# KiCad board jetson-orin-baseboard.kicad_pcb (continued)
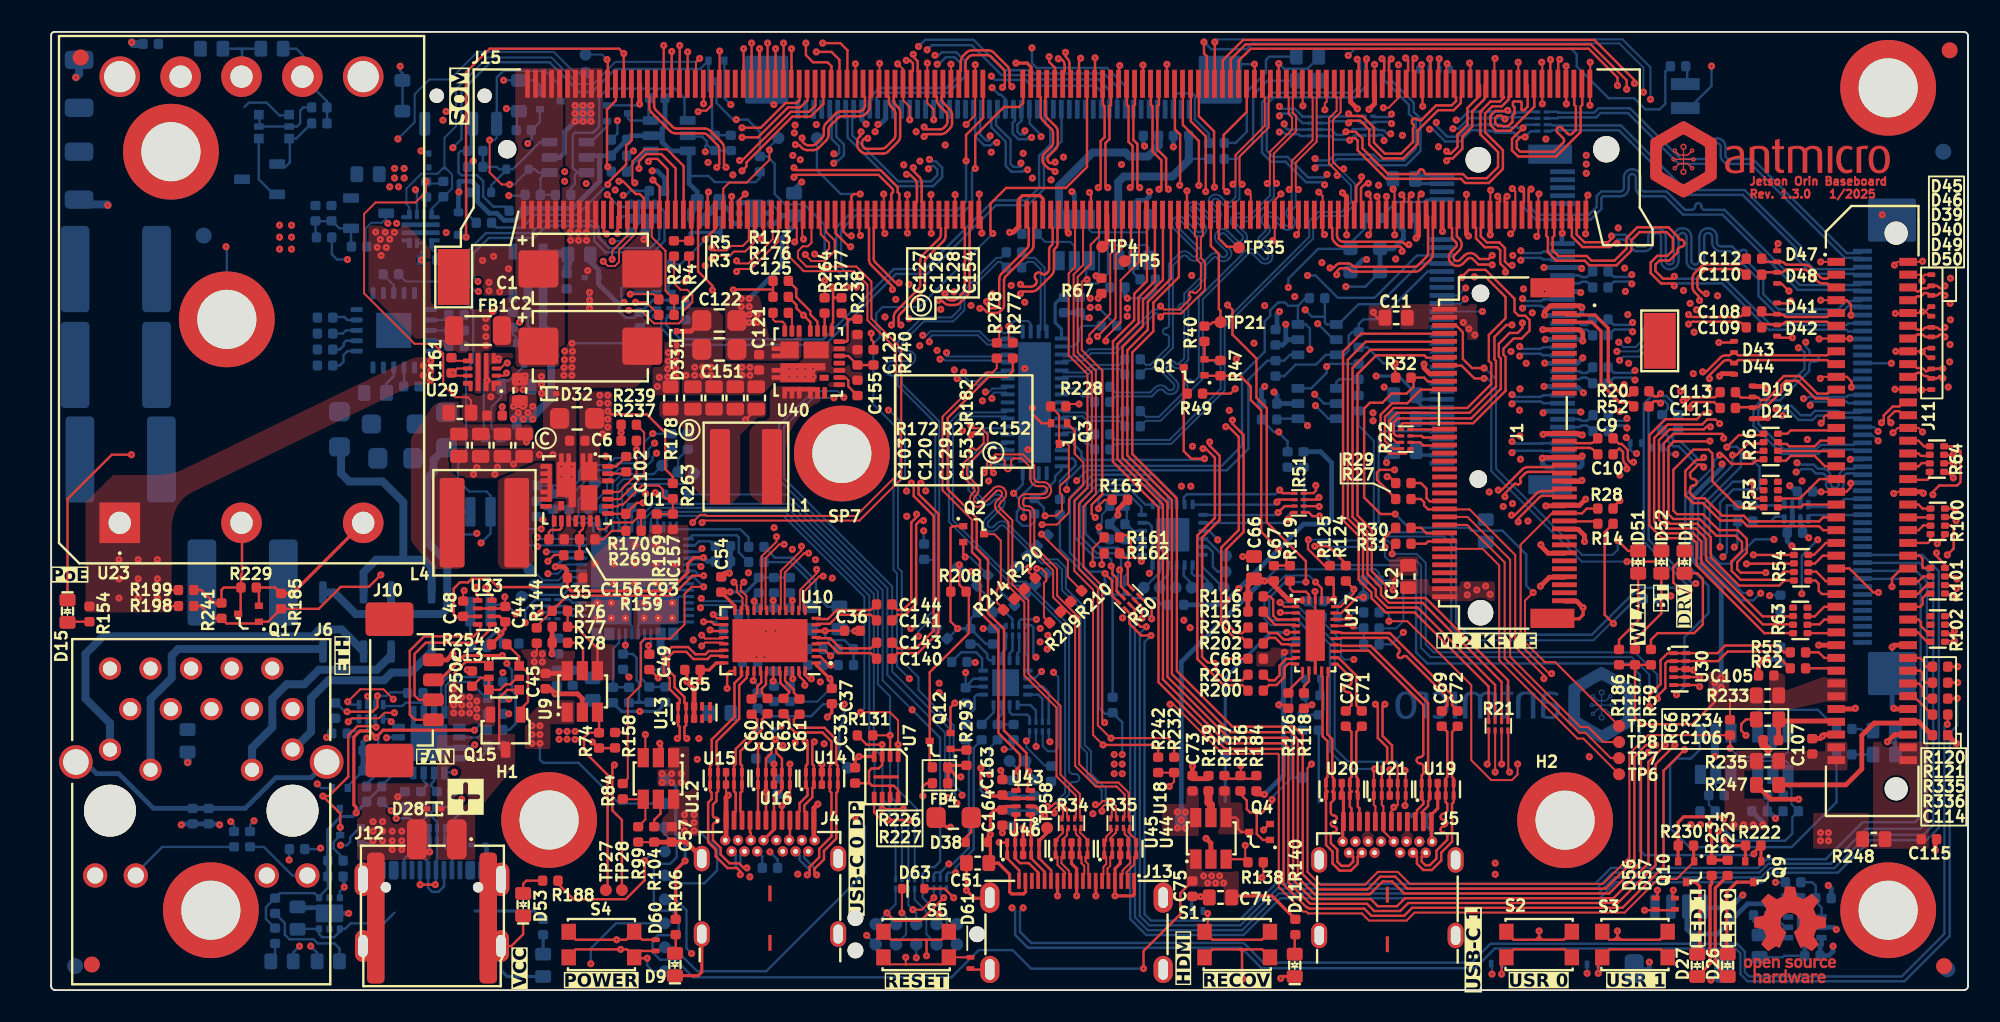
[diagram p0: board, top side]
## Nets (continued)
/Peripherals/GPIO13_CONN: J11.36 R64.4
/Peripherals/GPIOEX_ADDR: R218.2 U34.16
/Peripherals/GPIOEX_I2C_SCL: R216.2 U34.12
/Peripherals/GPIOEX_I2C_SDA: R215.2 U34.13
/Peripherals/GPIOEX_P0_0: R25.8 U34.2
/Peripherals/GPIOEX_P0_1: R25.7 U34.3
/Peripherals/GPIOEX_P0_2: R25.6 U34.4
/Peripherals/GPIOEX_P0_3: R25.5 U34.5
/Peripherals/GPIOEX_P0_4: R195.8 U34.7
/Peripherals/GPIOEX_P0_5: R195.7 U34.8
/Peripherals/GPIOEX_P0_6: R195.6 U34.9
/Peripherals/GPIOEX_P0_7: R195.5 U34.10
/Peripherals/GPIOEX_RESET: R217.2 U34.1
/Peripherals/I2C_CONN_3V3: J14.2 R191.2 U35.1
/Peripherals/I2C_CONN_PEN: R189.1 R192.2 U35.4
/Peripherals/I2S0_LRCK_CONN: J11.47 R54.3
/Peripherals/I2S0_SCLK_CONN: J11.46 R100.4
/Peripherals/I2S0_SDIN_CONN: J11.45 R54.4
/Peripherals/I2S0_SDOUT_CONN: J11.48 R101.1
/Peripherals/MISO: J9.6 R112.2 R204.4
/Peripherals/MOSI: J9.8 R112.3 R204.2
/Peripherals/PCIE2_CLKREQ_CONN*: J11.29 R26.3
/Peripherals/PCIE2_RST_CONN*: J11.27 R26.4
/Peripherals/PCIE2_TX0_CONN_N: C108.1 D41.1 J11.9
/Peripherals/PCIE2_TX0_CONN_P: C109.1 D42.1 J11.11
/Peripherals/PCIE2_TX1_CONN_N: C112.1 D47.1 J11.3
/Peripherals/PCIE2_TX1_CONN_P: C110.1 D48.1 J11.5
/Peripherals/PCIE3_CLKREQ_CONN*: J11.32 R64.2
/Peripherals/PCIE3_RST_CONN*: J11.30 R64.1
/Peripherals/PCIE_WAKE_SEL_EXT_CONN: J11.34 R64.3
/Peripherals/SCK: D63.1 J9.4 R204.3
/Peripherals/SPI1_MISO_CONN: J11.56 R101.4
/Peripherals/SPI1_MOSI_CONN: J11.54 R101.3
/Peripherals/SPI1_SCK_CONN: J11.52 R101.2
/Peripherals/SPIO_MISO_CONN: J11.55 R63.3
/Peripherals/SPIO_MOSI_CONN: J11.53 R54.1
/Peripherals/SPIO_SCK_CONN: J11.51 R54.2
/Peripherals/UART1_RXD_CONN: J11.39 R53.1
/Peripherals/UART1_TXD_CONN: J11.44 R100.3
/Peripherals/USB_CONN_N: J11.41 R134.1
/Peripherals/USB_CONN_P: J11.43 R141.1
/Peripherals/USBSS2_TX_CONN_N: C113.1 D19.1 J11.21
/Peripherals/USBSS2_TX_CONN_P: C111.1 D21.1 J11.23
/Peripherals/~{CS}: J9.2 R204.1
/Peripherals/~{SPI0_CS0_CONN}: J11.57 R63.2
/Peripherals/~{SPI0_CS1_CONN}: J11.59 R63.1
/Peripherals/~{SPI1_CS0_CONN}: J11.58 R102.3
/Peripherals/~{SPI1_CS1_CONN}: J11.60 R102.4
/SoM/DEBUG_RXD_1V8: J15.238 U4.5
/SoM/DEBUG_TXD_1V8: J15.236 U4.4
/SoM/PMIC_BBAT: D34.1 J15.235 R294.2
/SoM/SLEEP/~{WAKE}: J15.240 TP2.1
/SoM/SoM_VIN: C1.1 C2.1 FB1.2 J15.251 J15.252 J15.253 J15.254 J15.255 J15.256 J15.257 J15.258 J15.259 J15.260
/SoM/~{FORCE_RECOVERY}: D55.2 J15.214 S1.1 S1.2
/SoM/~{MOD_SLEEP}: J15.178 TP3.1
/USB3/USBC1_ADDR: R113.1 R114.2 U17.22
/USB3/USBC1_CC1: J5.A5 U17.2 U21.1 U21.10
/USB3/USBC1_CC2: J5.B5 U17.1 U21.5 U21.6
/USB3/USBC1_CONN_TX1_N: C70.1 J5.A2 U20.4 U20.7
/USB3/USBC1_CONN_TX1_P: C71.1 J5.A3 U20.5 U20.6
/USB3/USBC1_CONN_TX2_N: C69.1 J5.B2 U19.4 U19.7
/USB3/USBC1_CONN_TX2_P: C72.1 J5.B3 U19.5 U19.6
/USB3/USBC1_DIR: R126.1 U17.11
/USB3/USBC1_FAULT_N: R135.1 TP32.1 U17.24
/USB3/USBC1_I2C_SDA: R124.2 R265.2 U17.25
/USB3/USBC1_I_MODE: R116.1 U17.3
/USB3/USBC1_ID: Q4.1 R23.1 R24.2 R136.2 TP31.1 U17.27
/USB3/USBC1_ISC_SCL: R125.2 R266.2 U17.26
/USB3/USBC1_ISET: R139.2 U18.5
/USB3/USBC1_PORT: R115.2 U17.4
/USB3/USBC1_RX1_N: J5.B10 U17.14 U20.1 U20.10
/USB3/USBC1_RX1_P: J5.B11 U17.15 U20.2 U20.9
/USB3/USBC1_RX2_N: J5.A10 U17.18 U19.1 U19.10
/USB3/USBC1_RX2_P: J5.A11 U17.19 U19.2 U19.9
/USB3/USBC1_TX1_N: C70.2 U17.16
/USB3/USBC1_TX1_P: C71.2 U17.17
/USB3/USBC1_TX2_N: C69.2 U17.20
/USB3/USBC1_TX2_P: C72.2 U17.21
/USB3/USBC1_VBUS: C74.1 C75.1 D10.1 J5.A4 J5.A9 J5.B4 J5.B9 R60.2 R128.2 R140.2 TP29.1 U18.1
/USB3/USBC1_VBUS_DET: R128.1 U17.5
/USB3/USBSS1_C_RX_N: R200.2 U17.10
/USB3/USBSS1_C_RX_P: R201.2 U17.9
/USB3/USBSS1_C_TX_N: R202.2 U17.7
/USB3/USBSS1_C_TX_P: R203.2 U17.6
/USB3/~{USBC1_EN_CC}: R119.2 U17.29
/USB3/~{USBC1_EN_MUX}: R118.2 U17.12
/USB3/~{USBC1_INT}: R245.2 U17.23
/USB Debug, DP/DRAIN1: U6.7 U6.52 U6.56 U6.57
/USB Debug, DP/DRAIN2: U6.8 U6.15 U6.19 U6.58
/USB Debug, DP/FTDI_3V3: C27.1 C29.1 C34.2 C158.1 C159.1 R46.1 R72.2 R73.2 R111.2 R267.2 R270.2 U5.1 U5.8 U5.10 U8.1 U47.3 U47.7
/USB Debug, DP/FTDI_CBUS0/SDA: R267.1 U5.12 U47.5
/USB Debug, DP/FTDI_CBUS3/SCL: R111.1 U5.14 U47.4
/USB Debug, DP/FTDI_CBUS_EN: Q20.3 Q21.3 R270.1 U47.6
/USB Debug, DP/FTDI_LED_RX: D3.1 Q21.1 U5.11
/USB Debug, DP/FTDI_LED_TX: D2.1 U5.5
/USB Debug, DP/HPDIN: R75.2 U10.32
/USB Debug, DP/PDC_ADCIN1: R42.2 R43.2 U6.6
/USB Debug, DP/PDC_ADCIN2: R44.2 R45.2 U6.10
/USB Debug, DP/PDC_CTL0: R33.2 U6.17
/USB Debug, DP/PDC_CTL1: R33.1 U6.18
/USB Debug, DP/PDC_FLIP: R33.3 U6.16
/USB Debug, DP/PDC_GPIO14: R68.1 U6.42
/USB Debug, DP/PDC_GPIO15: R69.1 U6.43
/USB Debug, DP/PDC_HPD2: R65.2 U6.31
/USB Debug, DP/PDC_I2C1_IRQn: R244.2 U6.29
/USB Debug, DP/PDC_I2C1_SCL: R70.2 R262.2 U6.27 U47.1
/USB Debug, DP/PDC_I2C1_SDA: R71.2 R246.2 U6.28 U47.8
/USB Debug, DP/PDC_I2C2_IRQn: TP18.1 U6.34
/USB Debug, DP/PDC_I2C2_SCL: R130.2 TP19.1 U6.32
/USB Debug, DP/PDC_I2C2_SDA: R81.2 TP20.1 U6.33
/USB Debug, DP/PDC_I2C3_SCL: TP24.1 U6.21
/USB Debug, DP/PDC_I2C3_SDA: TP25.1 U6.22
/USB Debug, DP/PDC_LDO_1V8: C28.2 U6.35
/USB Debug, DP/PDC_LDO_3V3: C30.2 D35.2 R42.1 R44.1 U6.9
/USB Debug, DP/PDC_RESET: R41.2 U6.44
/USB Debug, DP/USB_FTDI_N: R117.1 U5.7
/USB Debug, DP/USB_FTDI_P: R127.1 U5.6
/USB Debug, DP/USBC0_5V_PEN: R84.1 R158.1 U6.49
/USB Debug, DP/USBC0_CC1: J4.A5 U6.45 U16.1 U16.10
/USB Debug, DP/USBC0_CC2: J4.B5 U6.47 U16.5 U16.6
/USB Debug, DP/USBC0_CONN_TX1_N: C62.2 J4.A3 U15.5 U15.6
/USB Debug, DP/USBC0_CONN_TX1_P: C60.2 J4.A2 U15.4 U15.7
/USB Debug, DP/USBC0_CONN_TX2_N: C63.2 J4.B3 U14.4 U14.7
/USB Debug, DP/USBC0_CONN_TX2_P: C61.2 J4.B2 U14.5 U14.6
/USB Debug, DP/USBC0_CTL0: R33.7 R79.1 U10.22
/USB Debug, DP/USBC0_CTL1: R33.8 U10.23
/USB Debug, DP/USBC0_DPEQ0: R91.1 R92.1 U10.14
/USB Debug, DP/USBC0_DPEQ1: R93.1 R94.1 U10.2
/USB Debug, DP/USBC0_EQ0: R95.1 R96.1 U10.38
/USB Debug, DP/USBC0_EQ1: R97.1 R98.1 U10.35
/USB Debug, DP/USBC0_FLIP: R33.6 R82.1 U10.21
/USB Debug, DP/USBC0_I2C_EN: R85.1 R86.1 U10.17
/USB Debug, DP/USBC0_RX1_N: J4.B10 U10.31 U15.2 U15.9
/USB Debug, DP/USBC0_RX1_P: J4.B11 U10.30 U15.1 U15.10
/USB Debug, DP/USBC0_RX2_N: J4.A10 U10.39 U14.1 U14.10
/USB Debug, DP/USBC0_RX2_P: J4.A11 U10.40 U14.2 U14.9
/USB Debug, DP/USBC0_SBU_N: J4.A8 R109.1 U10.27 U13.2 U13.9
/USB Debug, DP/USBC0_SBU_P: J4.B8 R110.1 U10.26 U13.1 U13.10
/USB Debug, DP/USBC0_SSEQ0: R87.1 R88.1 U10.11
/USB Debug, DP/USBC0_SSEQ1: R89.1 R90.1 U10.3
/USB Debug, DP/USBC0_TX1_N: C62.1 U10.34
/USB Debug, DP/USBC0_TX1_P: C60.1 U10.33
/USB Debug, DP/USBC0_TX2_N: C63.1 U10.36
/USB Debug, DP/USBC0_TX2_P: C61.1 U10.37
/USB Debug, DP/USBC0_VBUS: C65.1 C149.2 D7.1 J4.A4 J4.A9 J4.B4 J4.B9 R106.2 TP17.1 U6.3 U12.1
/USB Debug, DP/USBC3_5V_PEN: R76.1 R144.1 U6.48
/USB Debug, DP/USBC3_CC1: J3.A5 U6.24 U11.1 U11.10
/USB Debug, DP/USBC3_CC2: J3.B5 U6.26 U11.5 U11.6
/USB Debug, DP/USBC3_D_N: C145.2 J3.A7 J3.B7 R117.2 U11.4 U11.7
/USB Debug, DP/USBC3_D_P: C146.1 J3.A6 J3.B6 R127.2 U11.2 U11.9
/USB Debug, DP/USBC3_FLG: R74.1 TP27.1 U9.3
/USB Debug, DP/USBC3_VBUS: C32.1 C64.1 C147.1 D6.1 J3.A4 J3.A9 J3.B4 J3.B9 R105.1 TP1.1 U6.13 U8.4 U8.6 U9.1
/USB Debug, DP/USBSS0_RX_C_N: C140.2 U10.4
/USB Debug, DP/USBSS0_RX_C_P: C143.2 U10.5
/USB Debug, DP/USBSS0_TX_C_N: C141.2 U10.7
/USB Debug, DP/USBSS0_TX_C_P: C144.2 U10.8
/USB Debug, DP/~{PDC_I2C3_IRQ}: TP26.1 U6.23
CAN_RX: J15.143 R335.1
CAN_TX: J15.145 R336.1
CSI0_CLK_N: J7.10 J15.10
CSI0_CLK_P: J7.11 J15.12
CSI0_D0_N: J7.7 J15.4
CSI0_D0_P: J7.8 J15.6
CSI0_D1_N: J7.5 J15.16
CSI0_D1_P: J7.6 J15.18
CSI1_CLK_N: J8.10 J15.9
CSI1_CLK_P: J8.11 J15.11
CSI1_D0_N: J15.3 R103.2 R107.3
CSI1_D0_P: J15.5 R103.1 R107.4
CSI1_D1_N: J15.15 R103.4 R107.1
CSI1_D1_P: J15.17 R103.3 R107.2
CSI2_CLK_N: J7.28 J15.28
CSI2_CLK_P: J7.29 J15.30
CSI2_D0_N: J7.25 J15.22
CSI2_D0_P: J7.26 J15.24
CSI2_D1_N: J7.23 J15.34
CSI2_D1_P: J7.24 J15.36
CSI3_CLK_N: J8.28 J15.27
CSI3_CLK_P: J8.29 J15.29
CSI3_D0_N: J15.21 R108.1 R122.4
CSI3_D0_P: J15.23 R108.2 R122.3
CSI3_D1_N: J15.33 R108.3 R122.2
CSI3_D1_P: J15.35 R108.4 R122.1
CSIA_FLG: R66.2 R195.1 U24.3 U25.3
CSIA_PEN: R6.2 R25.1 R193.1 U24.4 U25.4
CSIB_FLG: R67.2 R195.2 U27.3 U28.3
CSIB_PEN: R25.2 R180.2 R194.1 U27.4 U28.4
DEBUG_RXD: R56.1 U4.8
DEBUG_TXD: R57.1 U4.1
DISABLE_POE_DCDC: R25.4 U39.1
DP1_AUX_N: C138.1 R207.1 U10.25
DP1_AUX_P: C139.1 R205.1 U10.24
DP1_HDMI_AUX_N: J15.98 U36.4
DP1_HDMI_AUX_P: J15.100 U36.3
DP1_HPD: J15.96 R40.2 TP21.1
DP1_TXD0_HDMI_TX2_N: C92.2 J15.63
DP1_TXD0_HDMI_TX2_P: C135.2 J15.65
DP1_TXD0_N: U10.10 U36.31
DP1_TXD0_P: U10.9 U36.32
DP1_TXD1_HDMI_TX1_N: C88.2 J15.69
DP1_TXD1_HDMI_TX1_P: C133.2 J15.71
DP1_TXD1_N: U10.13 U36.33
DP1_TXD1_P: U10.12 U36.34
DP1_TXD2_HDMI_TX0_N: C87.2 J15.75
DP1_TXD2_HDMI_TX0_P: C132.2 J15.77
DP1_TXD2_N: U10.16 U36.35
DP1_TXD2_P: U10.15 U36.36
DP1_TXD3_HDMI_TXC_N: C86.2 J15.81
DP1_TXD3_HDMI_TXC_P: C131.2 J15.83
DP1_TXD3_N: U10.19 U36.37
DP1_TXD3_P: U10.18 U36.38
EEPROM_PWR: C33.2 D35.1 J9.1 R131.2 U7.3 U7.7 U7.8
FAN_PWM: J15.230 U33.5
FAN_TACH: J15.208 U33.4
GBE_LED_ACT: J15.194 R151.2
GBE_LED_LINK: J15.188 R152.2
GBE_MDI0_N: J6.2 J15.184
GBE_MDI0_P: J6.1 J15.186
GBE_MDI1_N: J6.6 J15.190
GBE_MDI1_P: J6.3 J15.192
GBE_MDI2_N: J6.8 J15.196
GBE_MDI2_P: J6.7 J15.198
GBE_MDI3_N: J6.10 J15.202
GBE_MDI3_P: J6.9 J15.204
GPIO01: J15.118 R26.7
GPIO07: J15.206 R26.8
GPIO09: J15.211 R53.7
GPIO010: J15.212 R80.1 R244.1 R245.1
GPIO11: J15.216 R100.7
GPIO12: R2.2 R100.8
GPIO13: R3.2 R64.5
I2C1_SCL: D56.2 J14.4 J15.189
I2C1_SDA: D57.2 J14.3 J15.191
I2C2_SCL: J15.232 R121.2 U30.5 U30.6
I2C2_SDA: J15.234 R120.2 U30.4 U30.7
I2S0_LRCK: J15.197 R54.6
I2S0_SCLK: J15.199 R100.5
I2S0_SDIN: J15.195 R54.5
I2S0_SDOUT: J15.193 R101.8
I2S1_LRCK: J15.224 R21.2
I2S1_SCLK: J15.226 R21.1
I2S1_SDIN: J15.222 R21.3
I2S1_SDOUT: J15.220 R21.4
MODULE_ID: J15.217 R275.1 U48.1 U48.4
PCIE0_CLK_N: J2.53 J15.160
PCIE0_CLK_P: J2.55 J15.162
PCIE0_CLKREQ*: J15.180 R17.1 U2.3 U3.6
PCIE0_RST*: J15.181 R18.1 U3.4
PCIE0_RX0_N: J2.41 J15.131
PCIE0_RX0_P: J2.43 J15.133
PCIE0_RX1_N: J2.29 J15.137
PCIE0_RX1_P: J2.31 J15.139
PCIE0_RX2_N: J2.17 J15.149
PCIE0_RX2_P: J2.19 J15.151
PCIE0_RX3_N: J2.5 J15.155
PCIE0_RX3_P: J2.7 J15.157
PCIE0_TX0_N: C17.2 J15.134
PCIE0_TX0_P: C13.2 J15.136
PCIE0_TX1_N: C18.2 J15.140
PCIE0_TX1_P: C14.2 J15.142
PCIE0_TX2_N: C19.2 J15.148
PCIE0_TX2_P: C15.2 J15.150
PCIE0_TX3_N: C20.2 J15.154
PCIE0_TX3_P: C16.2 J15.156
PCIE1_CLK_N: J1.49 J15.173
PCIE1_CLK_P: J1.47 J15.175
PCIE1_CLKREQ*: J1.53 J15.182 R28.2
PCIE1_RST*: J1.52 J15.183 R27.2
PCIE1_RX0_N: J1.43 J15.167
PCIE1_RX0_P: J1.41 J15.169
PCIE1_TX0_N: C10.1 J15.172
PCIE1_TX0_P: C9.1 J15.174
PCIE2_CLK_N: D43.1 J11.15 J15.52
PCIE2_CLK_P: D44.1 J11.17 J15.54
PCIE2_CLKREQ*: J15.221 R26.6
PCIE2_RST*: J15.219 R26.5
PCIE2_RX0_N: D39.1 J11.12 J15.40
PCIE2_RX0_P: D40.1 J11.14 J15.42
PCIE2_RX1_N: D45.1 J11.6 J15.58
PCIE2_RX1_P: D46.1 J11.8 J15.60
PCIE2_TX0_N: C108.2 J15.46
PCIE2_TX0_P: C109.2 J15.48
PCIE2_TX1_N: C112.2 J15.64
PCIE2_TX1_P: C110.2 J15.66
PCIE3_CLK_N: D49.1 J11.18 J15.227
PCIE3_CLK_P: D50.1 J11.20 J15.229
PCIE3_CLKREQ*: J15.225 R64.7
PCIE3_RST*: J15.223 R64.8
PCIE_WAKE*: J15.179 R13.1 R14.1 R15.1
PCIE_WAKE_SEL_EXT: R15.2 R64.6
PDC_MISO: R131.1 R204.5 U6.36 U7.2
PDC_MOSI: R204.7 U6.37 U7.5
PDC_SCLK: R204.6 U6.38 U7.6
POE_OUTPUT: C52.1 C84.2 C85.2 Q14.4 Q16.3 R243.1 U23.7 U23.8
POWER_EN: J15.237 R260.2
PWR_SOFT: Q7.1 R58.1 R249.2
SCL_CAM: J15.213 R162.2
SDA_CAM: J15.215 R161.2
SPI1_MISO: J15.108 R101.5
SPI1_MOSI: J15.104 R101.6
SPI1_SCK: J15.106 R101.7
SPIO_MISO: J15.93 R63.6
SPIO_MOSI: J15.89 R54.8
SPIO_SCK: J15.91 R54.7
SYS_SCL: J15.185 R31.2 R62.1 R70.1 R82.2 R112.8 R125.1 R216.1 U30.2 U30.9
SYS_SDA: J15.187 R30.2 R55.1 R71.1 R79.2 R112.6 R112.7 R124.1 R215.1 U30.1 U30.10
UART0_CTS: J15.105 R22.2
UART0_RTS: J15.103 R22.3
UART0_RXD: J15.101 R22.4
UART0_TXD: J15.99 R22.1
UART1_RXD: J15.205 R53.8
UART1_TXD: J15.203 R100.6
USB0_D_N: J5.A7 J5.B7 J15.109 U21.4 U21.7
USB0_D_P: J5.A6 J5.B6 J15.111 U21.2 U21.9
USB1_D_N: D22.1 J15.115 R52.1 R134.2
USB1_D_P: D23.1 J15.117 R20.1 R141.2
USB2_D_N: J4.A7 J4.B7 J15.121 U16.4 U16.7
USB2_D_P: J4.A6 J4.B6 J15.123 U16.2 U16.9
USB_FLASH_ID: J15.87 Q19.3 R23.2
USBC0_FLG: R83.1 R195.4 U12.3
USBC1_FLG: R138.1 R195.3 U18.3
USBC1_PEN: R25.3 R136.1 R137.2 R184.1
USBC_HPD: Q3.1 R65.1 R75.1 TP30.1 U36.19
USBPD1_HV: C53.1 C136.1 R252.1 U6.11
USBPD2_HV: C58.1 C148.1 R253.1 U6.1
USBSS0_RX_N: C143.1 J15.161
USBSS0_RX_P: C140.1 J15.163
USBSS0_TX_N: C144.1 J15.166
USBSS0_TX_P: C141.1 J15.168
USBSS1_RX_N: D16.1 J11.24 J15.39
USBSS1_RX_P: D17.1 J11.26 J15.41
USBSS1_TX_N: C113.2 J15.45
USBSS1_TX_P: C111.2 J15.47
USBSS2_RX_N: J15.51 R201.1
USBSS2_RX_P: J15.53 R200.1
USBSS2_TX_N: J15.57 R203.1
USBSS2_TX_P: J15.59 R202.1
USER_BTN0: D58.2 J15.128 R232.1 S2.1 S2.2
USER_BTN1: D59.2 J15.130 R242.1 S3.1 S3.2
USER_LED0: J15.126 Q9.1 R222.2
USER_LED1: J15.127 Q10.1 R230.2
VSYNC_CAM0: R12.2 U31.5
VSYNC_CAM1: R11.2 U31.4
VSYNC_CAM2: R4.2 U32.5
VSYNC_CAM3: R5.2 U32.4
~{GPIO_INT}: R1.2 R219.1 U34.11
~{PDC_CS}: R204.8 U6.39 U7.1
~{RESET}: J15.239 Q5.1 Q8.3 Q20.1 R183.1 R264.1 R268.1 R271.2 TP33.1
~{SHUTDOWN_REQ}: J15.233 R236.2
~{SPI0_CS0}: J15.95 R63.7
~{SPI0_CS1}: J15.97 R63.8
~{SPI1_CS0}: J15.110 R102.6
~{SPI1_CS1}: J15.112 R102.5
Net-(BT1-+): BT1.1 R294.1
Net-(C78-Pad1): C78.1 J6.19 J6.20 R147.2
Net-(D1-A): D1.2 R39.1
Net-(D1-C): D1.1 J2.10
Net-(D2-A): D2.2 R72.1
Net-(D3-A): D3.2 R73.1
Net-(D4-A): D4.2 R68.2
Net-(D5-A): D5.2 R69.2
Net-(D8-A): D8.2 R105.2
Net-(D9-A): D9.2 R106.1
Net-(D11-A): D11.2 R140.1
Net-(D12-Pad1): D12.1 D13.1 FB3.1
Net-(D12-Pad2): D12.2 D13.2 FB2.1
Net-(D15-A): D15.2 R154.1
Net-(D18-A): D18.2 R132.1
Net-(D20-A): D20.2 R197.1
Net-(D24-A): D24.2 R133.1
Net-(D25-A): D25.2 R206.1
Net-(D26-A): D26.2 R223.1
Net-(D26-C): D26.1 Q9.3
Net-(D27-A): D27.2 R231.1
Net-(D27-C): D27.1 Q10.3
Net-(D28-C): D28.1 J12.1 Q13.4 Q15.3
Net-(D36-A): C116.2 D36.2 D60.2 Q7.3 R258.1 S4.1 S4.2 SW1.3 U37.1
Net-(D36-C): C117.2 D36.1 D37.2 R257.2 U37.3
Net-(D37-C): D37.1 R236.1
Net-(D38-A): D38.2 FB4.2
Net-(D51-A): D51.2 R186.1
Net-(D52-A): D52.2 R187.1
Net-(D53-A): D53.2 R188.1
Net-(D54-A): D54.2 R191.1
Net-(D61-A): C124.2 D61.2 Q8.1 R261.2 S5.3 S5.4
Net-(D63-A): D63.2 R112.1
Net-(J6-LED_GRN-): J6.16 R152.1
Net-(J6-LED_YEL-): J6.18 R151.1
Net-(J6-P4): C77.2 J6.4 J6.5
Net-(J11-Pad63): J11.63 R55.2
Net-(J11-Pad64): J11.64 R120.1
Net-(J11-Pad65): J11.65 R62.2
Net-(J11-Pad66): J11.66 R121.1
Net-(J11-Pad68): J11.68 R335.2
Net-(J11-Pad70): J11.70 R336.2
Net-(J15A-CLK_32K_OUT): J15.210 TP44.1
Net-(J15B-CAM0_MCLK): J15.116 TP5.1
Net-(J15B-CAM0_PWDN): J15.114 R12.1
Net-(J15B-CAM1_MCLK): J15.122 TP4.1
Net-(J15B-CAM1_PWDN): J15.120 R11.1
Net-(J15E-HDMI_CEC): J15.94 TP35.1
Net-(J15H-GPIO02): J15.124 R1.1
Net-(J15H-GPIO12/PWM): J15.218 R2.1 R4.1
Net-(J15H-GPIO13/PWM): J15.228 R3.1 R5.1
Net-(Q1-D): Q1.3 R49.1 U36.14
Net-(Q1-S): Q1.2 R40.1 R47.1
Net-(Q2-D): Q2.3 R209.1 R210.1 R212.1 R213.1 R214.1 R220.1 R221.1 R224.1
Net-(Q3-D): Q3.3 R225.2 R228.1 U36.17
Net-(Q4-D): Q4.3 R137.1 U18.4
Net-(Q11-D): Q11.3 R259.1 U38.6
Net-(Q11-G): Q11.1 U37.4
Net-(Q13-Pad2): Q13.2 Q13.3 Q13.5 R250.2
Net-(Q14-Pad2): Q14.2 Q14.3 Q14.5 R251.2
Net-(Q15-G): Q13.6 Q15.1 R254.2
Net-(Q16-G): Q14.6 Q16.1 R255.2
Net-(Q18-G): C50.1 C150.1 Q18.1 R164.1 R165.2
Net-(Q19-G): Q19.1 R24.1 R60.1 R61.2
Net-(R50-R1.2): J7.39 R50.8
Net-(R50-R2.2): J7.40 R50.7
Net-(R50-R3.2): J7.41 R50.6
Net-(R50-R4.2): J7.42 R50.5
Net-(R51-R1.2): J8.39 R51.8
Net-(R51-R2.2): J8.40 R51.7
Net-(R51-R3.2): J8.41 R51.6
Net-(R51-R4.2): J8.42 R51.5
Net-(R155-Pad2): R155.2 U39.3
Net-(R156-Pad1): R156.1 U39.2
Net-(R256-Pad1): R256.1 R257.1 SW1.2
Net-(U5-RXD): R57.2 U5.2
Net-(U5-TXD): R56.2 U5.15
Net-(U5-~{CTS}): R59.2 U5.4
Net-(U5-~{RESET}): C31.1 R46.2 U5.9
Net-(U5-~{RTS}): R58.2 U5.16
Net-(U6A-GPIO3/HPD1): TP13.1 U6.30
Net-(U9-EN): R76.2 R77.2 U9.4
Net-(U9-ISET): R78.2 U9.5
Net-(U10-CAD_SNK/RSVD1): TP28.1 U10.29
Net-(U12-EN): R84.2 R99.2 U12.4
Net-(U12-ISET): R104.2 U12.5
Net-(U23-TRIM): R157.2 R243.2 U23.6
Net-(U29-DVDT): C161.2 U29.7
Net-(U29-PG): R272.2 U29.3
Net-(U35-ISET): R190.2 U35.2
Net-(U36-SEL1): R211.1 U36.16
Net-(U38-CLK): R258.2 U37.6 U38.1
Net-(U38-Q): R260.1 U38.4
Net-(U42-EN): R268.2 U42.3
Net-(U48-DVDT): C160.2 U48.7
Net-(U48-PG): R274.2 U48.3

Pads without a net: J1 9 11 13 15 17 19 21 23 38 40 42 44 46 48 59 61 64 65 66 67 68 70 71 73; J2 6 8 20 22 24 26 28 30 32 34 36 38 46 48 56 58 67 69; J3 A8 B8; J5 A8 B8; J7 13 14 16 17 31 33 35 36 37 38 43 44 45 46; J8 1 2 3 4 13 14 16 17 19 20 21 22 31 33 35 36 37 38 43 44 45 46; J9 7 10; J10 MP1 MP2; J13 17; J15 70 72 76 78 82 84 88 90 92 207 209 261 262; R33 4 5; R53 3 4 5 6; R59 1; R63 4 5; R102 1 2 7 8; R112 4 5; SW1 1; U1 10 11 14 28; U6 40 41 50 53 54 55; U7 EP; U8 2; U13 4 5 6 7; U22 10 14 15 16 20; U26 25; U29 10; U34 17; U35 3; U36 9 15 18 20 30; U40 10 11 14 28; U41 2; U42 4; U48 10

## Via types
v1: diameter 0.45, hole 0.1, Top to Bottom, 1335 vias

## Routing (per net, layer and track width the routed paths; a pad name or vN(x,y) marks a point on that pad's centre or on a via; arc(x,y) is an arc through that point)
3V3_STDB: length 211.5
  Top w0.155: 52.12,3.65 52.12,3.6 52.58,3.15 55.72,3.15 56.22,3.65 ; 54.8,3.15 v1(54.8,2.15)
  Top w0.3: R247.2 107.65,11.95 v1(109.4,11.95)
  In2.Cu w0.15: v1(33.78,1.65) 33.78,1.15
  In2.Cu w0.155: v1(54.8,2.15) 54.8,2.6
  In2.Cu w0.3: v1(109.4,11.95) 111.15,11.95 111.85,11.25 111.85,6.35 107.65,2.15 100.36,2.15 100.26,2.25 99.84,2.25 99.74,2.15 70.75,2.15 70.35,2.55 53.17,2.55 51.77,1.15 25.15,1.15 22.5,3.8 22.5,12.2 22.35,12.35 22.35,43.31 18.75,46.91 18.75,51.99 20.56,53.8 22.61,53.8 24.8,51.61 24.8,50.71 v1(25.53,49.98)
  Bottom w0.15: 39.94,50.98 41.16,50.98 41.54,50.6 44.11,50.6 44.37,50.86 R183.2 ; v1(33.78,1.65) 33.78,2.61 35.36,4.18 TP52.1
  Bottom w0.3: 34.33,52.25 33.55,52.25 33.45,52.15 ; 34.33,52.25 35.06,52.25 ; 34.33,52.25 34.33,50.62 32.65,48.95 29.78,48.95 29.04,48.2 28.34,48.2 27.9,48.64 27.42,48.64 26.7,49.37 26.7,50.3 26.35,50.65 25.55,50.65 25.53,50.63 v1(25.53,49.98) 25.5,49.95 D34.2 ; 38.05,53.5 38.25,53.7 38.25,53.95 ; 38.05,53.5 38.25,53.3 38.25,53.1 ; 38.05,53.5 36.28,53.5 35.06,52.28 ; 38.05,53.5 38.25,53.5 ; 38.25,53.5 38.25,53.1 ; 38.25,53.5 38.25,53.95 ; 38.25,53.1 38.8,52.55 U38.3 39.94,52.46 39.94,50.5 40.45,49.99 R273.2 ; 38.25,53.95 38.26,53.95 38.44,54.12 38.44,55.85
  Bottom w0.5: R273.2 40.45,49.18 40.05,48.78 40.05,48.26
+1V8: length 252.3
  Top w0.125: v1(70,12.75) 70.3,13.05 70.3,13.61 69.3,13.61
  Top w0.15: R234.1 106.1,16.95 105.8,16.65 105.8,16.25 v1(106.1,15.95) ; v1(76.83,27.61) 75.75,28.7 75.75,36.3 75.1,36.95 75.1,37.8 74.44,38.47 72.23,38.47 Q1.1
  Top w0.155: 26.85,23.9 28.28,23.9 28.41,24.03 28.41,24.62 v1(28.4,24.63)
  Top w0.3: v1(66.78,29.75) 66.78,30.1 67.39,30.7
  In2.Cu w0.15: v1(35.86,43.07) 35.81,43.12 35.81,46.22 35.14,46.89 v1(35.12,46.89) ; v1(50.31,10.84) 50.31,12.75
  In2.Cu w0.3: 33.19,37.88 32.02,37.88 29.81,40.08 27.65,40.08 26.73,39.16 26.73,37.15 27.28,36.6 27.28,30.73 28.4,29.61 v1(28.4,24.63) ; 33.19,37.88 33.19,40.7 35.56,43.07 v1(35.86,43.07) ; 33.19,37.88 33.19,20.81 34.95,19.05 38.15,19.05 38.65,18.55 38.65,14.65 39.05,14.25 39.55,14.25 40.9,12.9 45.5,12.9 45.65,12.75 58.35,12.75 ; 58.75,12.95 58.55,12.75 58.35,12.75 ; 58.75,12.95 58.75,12.75 ; 58.75,12.95 58.95,12.75 59.1,12.75 ; 58.75,12.95 v1(58.75,13.5) ; 58.35,12.75 58.75,12.75 ; 58.75,12.75 59.1,12.75 ; v1(108.97,27.81) 108.97,18.83 v1(106.1,15.95) 87.66,15.95 84.46,12.75 v1(70,12.75) ; v1(66.78,29.75) 66.88,29.65 68.6,29.65 73.1,25.15 v1(74.35,25.15) 74.44,25.06 74.44,19.44 70,15 v1(70,12.75) ; v1(70,12.75) 59.1,12.75
  Bottom w0.125: 59.25,15.67 58.75,15.17 v1(58.75,13.5)
  Bottom w0.15: 37.86,45.45 37.2,45.45 35.7,43.95 35.7,43.23 v1(35.86,43.07) 35.55,42.76 35.55,42.51 35.95,42.11 36.53,42.11 36.95,42.53 37.05,42.53 ; 36.8,49.06 36.8,48.02 35.68,46.89 v1(35.12,46.89) ; TP55.1 38.94,2.68 40.44,1.18 44.77,1.18 50.94,7.36 50.94,10.21 v1(50.31,10.84)
  Bottom w0.155: 37.03,42.64 37.11,42.64 37.67,43.2 38.64,43.2
  Bottom w0.3: v1(108.97,27.81) 108.68,28.11 108.68,28.88 109,29.2 109,30.24 ; v1(66.78,29.75) 66.3,29.27 66.3,29.17 67.22,28.25 68.25,28.25 ; R276.2 33.75,45.6 34.27,45.08 34.27,44.22 35.42,43.07 v1(35.86,43.07) ; 70.91,24.12 73.34,24.12 78.4,29.18 79.78,29.18 80.16,29.56 80.16,33.02 79.47,33.71 78.4,33.71
+3V3: length 319.9
  Top w0.125: v1(64.35,36.7) 63.69,36.7 63.53,36.55 ; 75.89,8 75.89,7.14 v1(75.8,7.05) ; 105.1,16.94 105.1,18.15
  Top w0.15: v1(84.1,32.58) 83.17,32.58 83,32.4 83,31.95 84.2,30.75 ; 97.7,30.15 v1(98.2,30.65) ; v1(76.85,17.86) 77.14,17.86 77.36,17.64 ; v1(104.15,18.65) 104.15,18.05 102.75,16.65 99.55,16.65 99.15,17.05 99.15,20.36 ; v1(56.75,22.64) 56.3,23.09 56.3,28.93 56.42,29.05 Q2.1 ; 84.31,38.35 84.15,38.52 v1(84.15,39.25) ; 72.08,37.35 73.83,37.35 v1(74.13,37.65) ; 49.67,22.5 48.46,22.5 v1(48.45,22.49) ; 37.45,21.03 37.45,21.53 v1(37.4,21.58) ; 98.15,20.36 100.15,20.36
  Top w0.155: 59.77,12 61.14,12
  Top w0.2: U10.1 47.9,20.35 v1(48.75,19.5) 48.87,19.38 48.87,18.89 ; v1(58.2,13.9) 58.2,12.9 58.95,12.15 59.48,12.15 59.55,12.22 59.77,12 61.14,12 ; 47.9,22.48 48.45,22.48 v1(48.45,22.49) ; 42.1,20.48 41.63,20.48 41.2,20.05 40.64,20.05 ; 42.8,23.78 42.8,24.06 41.95,24.92 42.48,24.92 v1(42.5,24.93) ; v1(103.85,10.36) 103.85,9.7 103.95,9.6 103.95,8.14 104.95,8.14
  Top w0.3: 75.45,12.27 75.94,12.27 v1(75.95,12.25) ; 40.64,20.05 40.64,19.39 v1(40.6,19.35) 40.57,19.32 40.57,19.3
  In1.Cu w0.125: v1(65.05,42.75) 64.5,42.75 64.35,42.6 v1(64.35,36.7)
  In1.Cu w0.15: v1(84.15,39.25) 84.15,40 ; v1(84.1,32.58) 79.22,32.58 v1(76.85,34.95) ; v1(40.09,2.29) 38.4,2.29 ; v1(81.05,44.05) 80.5,43.5
  In1.Cu w0.3: 88.8,28.7 97,28.7 98.2,29.9 v1(98.2,30.65) ; 13.95,0.75 13.45,0.75 ; 13.95,0.75 37.44,0.75 38.4,1.71 38.4,11.03 40.45,13.08 v1(40.45,14.45) ; 13.95,0.75 13.85,0.75 13.55,1.05 ; 13.45,0.75 13.25,0.75 ; 13.45,0.75 13.55,0.85 13.55,1.05 ; 13.55,1.05 13.25,0.75 ; 13.55,1.05 13.55,7.12 ; v1(111.25,6.55) 110.15,7.65 103.65,7.65 ; 2.76,7.17 2.76,1.34 3.35,0.75 13.25,0.75 ; v1(75.8,7.05) 75.25,7.6 75.25,11.55 v1(75.95,12.25)
  In2.Cu w0.15: v1(39.7,43.27) 39.63,43.2 37.8,43.2 ; 37.65,43.05 37.8,43.2 ; 37.65,43.05 37.65,43.35 ; 37.65,43.05 37.65,41.25 38.92,39.97 38.92,39.47 38.9,39.45 ; 37.8,43.2 37.65,43.35 ; 37.65,43.35 37.65,48.65 36.53,49.77 v1(35.82,49.77)
  In2.Cu w0.155: 57.35,22.05 56.75,22.05 v1(56.75,22.64)
  In3.Cu w0.3: v1(108.84,31.59) 108.84,31.66 108.07,32.42 105.12,32.42 v1(104.6,32.95)
  In5.Cu w0.125: v1(77.2,21.15) 77.65,20.7 v1(81.55,20.7)
  In5.Cu w0.15: 75.45,36.75 75.4,36.75 75.3,36.85 ; 75.45,36.75 75.45,36.85 ; 75.45,36.75 75.45,36.35 v1(76.85,34.95) ; 75.45,36.95 75.4,36.95 75.3,36.85 ; 75.45,36.95 75.45,36.85 ; 75.45,36.95 75.45,38.05 76.35,38.95 76.35,39.75 76.95,40.35 76.95,41.35 v1(77.29,41.69) ; 75.45,36.85 75.3,36.85 ; 75.3,36.85 74.93,36.85 v1(74.13,37.65)
  In5.Cu w0.3: v1(111.55,2.75) 111.25,3.05 v1(111.25,6.55)
  Bottom w0.125: 31.41,31.6 R246.1 ; v1(81.55,20.7) 80.95,20.7 80.75,20.9 80.75,21.9 79.56,23.08 79.56,23.44 78.67,24.33 78.67,24.35 ; v1(48.75,19.5) 48.75,18.85 47.97,18.06 45.25,18.06
  Bottom w0.13: 30.42,31.56 R262.1 32.74,31.6 33.03,31.89 33.03,32.52 33.4,32.89 34.86,32.89 35.29,33.32 36.82,33.32 37.11,33.61 37.11,34.29 37.66,34.83 39.85,34.83
  Bottom w0.15: 57.97,23.65 57.55,23.23 57.55,22.64 58.52,21.67 58.95,21.67 ; TP54.1 39.09,5.68 39.78,5 39.78,2.61 v1(40.09,2.29) ; v1(81.05,44.05) 82.27,44.05 Y1.1 ; 37.45,21.03 37.45,21.53 v1(37.4,21.58) ; 77.4,33.71 77.4,34.35 76.85,34.9 v1(76.85,34.95) 76.55,34.95 75.77,35.73 ; 81.85,40.25 82.41,40.25 83.4,39.25 v1(84.15,39.25) ; 66.7,41.6 v1(65.55,42.75) ; 56.09,21.98 v1(56.75,22.64) ; 63.15,29.77 63.15,27.6 65.58,25.17 65.58,17.7 65.97,17.3 66.39,17.3 66.45,17.36
  Bottom w0.155: v1(48.45,22.49) 48.45,22.15 48.69,21.91 49.67,21.91 50.23,21.34 50.23,20.35 ; v1(39.7,43.27) 39.65,43.22 39.65,42.94 39.42,42.7 38.64,42.7 ; v1(37.4,21.58) 37.55,21.73 37.55,22.3 ; U34.15 57.75,19.5 57.25,19 57.25,18.94 ; 62.6,13.06 62.6,12.65 62.11,12.17 58.53,12.17 58.2,12.5 v1(58.2,13.9) ; 46.25,25.83 44.3,25.83 ; 66.45,17.36 67.05,16.77 v1(67.05,14.75) ; v1(57.25,19.88) 57.25,18.94 ; 57.25,18.94 57.31,19 U34.14 ; v1(35.82,49.77) 35.97,49.77 36.25,50.05 37.44,50.05 37.44,50.04
  Bottom w0.2: v1(56.75,22.64) 56.75,22.64 57.55,22.64 ; 63.25,43.39 62.85,42.98 62.85,41.8 63.25,41.4 63.25,40.81 U36.1 ; 103,13.65 103.2,13.45 ; 44.3,25.83 44.3,25.74 43.49,24.93 v1(42.5,24.93) 42.48,24.92 41.95,24.92
  Bottom w0.3: 37.3,49.06 37.3,49.89 ; v1(104.15,19.25) 104.45,18.95 v1(104.55,18.95) ; v1(104.15,19.25) 104.45,19.55 v1(104.55,19.55) ; v1(104.15,19.25) v1(104.15,18.65) ; v1(104.55,19.55) 104.15,19.15 v1(104.15,18.65) ; v1(104.55,19.55) 104.55,25.15 102.7,27 102.7,30.85 104.6,32.75 v1(104.6,32.95) ; v1(104.55,19.55) v1(104.55,18.95) ; 109.5,30.24 109.5,30.95 109.38,31.06 ; v1(104.55,18.95) 104.55,19.05 v1(104.15,18.65) ; 77.15,19.55 77.15,18.16 v1(76.85,17.86) 77.15,17.56 77.15,17.55 ; 77.15,19.55 77.15,17.55 ; 77.15,19.55 77.15,21.1 v1(77.2,21.15) ; U35.6 110.83,2.85 110.74,2.76 C130.1 111.27,2.15 111.55,2.43 v1(111.55,2.75) ; v1(111.25,6.55) 111.44,6.36 111.44,5.75 ; 76.65,40.39 77.09,40.39 77.4,40.7 ; v1(75.95,12.25) 77.13,13.43 77.15,13.43 77.15,17.55 ; 77.4,40.7 77.43,40.73 U3.5 ; 77.4,40.7 77.29,40.81 v1(77.29,41.69) ; v1(108.84,31.59) 109.22,31.21 109.38,31.21 ; Y1.1 83.19,46.42 84.02,46.42 84.65,47.05 84.65,47.55 84.36,47.83 84.36,48.35
  vias: v1(37.66,34.85) v1(37.95,37.8) v1(38.08,38.38) v1(38.6,38.9) v1(38.6,38.4) v1(38.64,39.92) v1(38.63,39.39) v1(39.1,38.9) v1(39.1,38.4) v1(39.14,39.93) v1(39.12,39.4) v1(65.05,43.32) v1(65.55,43.32) v1(66.55,14.75) v1(66.55,14.15) v1(66.55,13.55) v1(67.05,14.15) v1(67.05,13.55) v1(88.4,41.8) v1(88.65,25.35) v1(88.65,24.75) v1(88.75,41.4) v1(89.13,41.03) v1(89.25,25.05) v1(89.8,25.3) v1(90.08,24.78) v1(102.65,10.36) v1(103.25,10.36)
+5V: length 96.1
  Top w0.125: v1(30.25,21.04) 30.4,21.19 30.4,21.72
  Top w0.15: 34.3,15.15 35.28,15.15 35.3,15.17 ; v1(33.88,15.53) 34.15,15.27 34.15,15.15
  Top w0.155: 32.31,25.23 27.97,25.23 27.45,25.75 26.33,25.75 26.11,25.53 25.59,25.53 25.2,25.14 25.2,23.54 25.34,23.4 26.85,23.4
  Top w0.2: v1(28.25,20.95) 25.88,20.95 24.35,19.42 23.8,19.42 ; v1(40.84,27.08) 40.23,27.08 39.85,26.7 39.85,26.15 38.7,25 32.55,25 32.31,25.23 32.31,25.95 ; C66.1 75.81,25.75 v1(75.95,25.61) ; v1(56.3,10.2) 56.05,10.2 55.45,10.8
  Top w0.3: v1(75.95,25.61) 76.28,25.61 77.13,24.77 77.14,24.77 77.43,24.48 77.43,24.47 77.5,24.41 78.34,24.41 ; 30.95,19.83 32.13,19.83 ; v1(31.56,26.51) 32.09,26.51 32.26,26.34 32.26,26 32.31,25.95 ; 75.25,25.65 74.92,25.31 74.92,23.7